# KiCad board BEEWATCH MK2.kicad_pcb (continued)
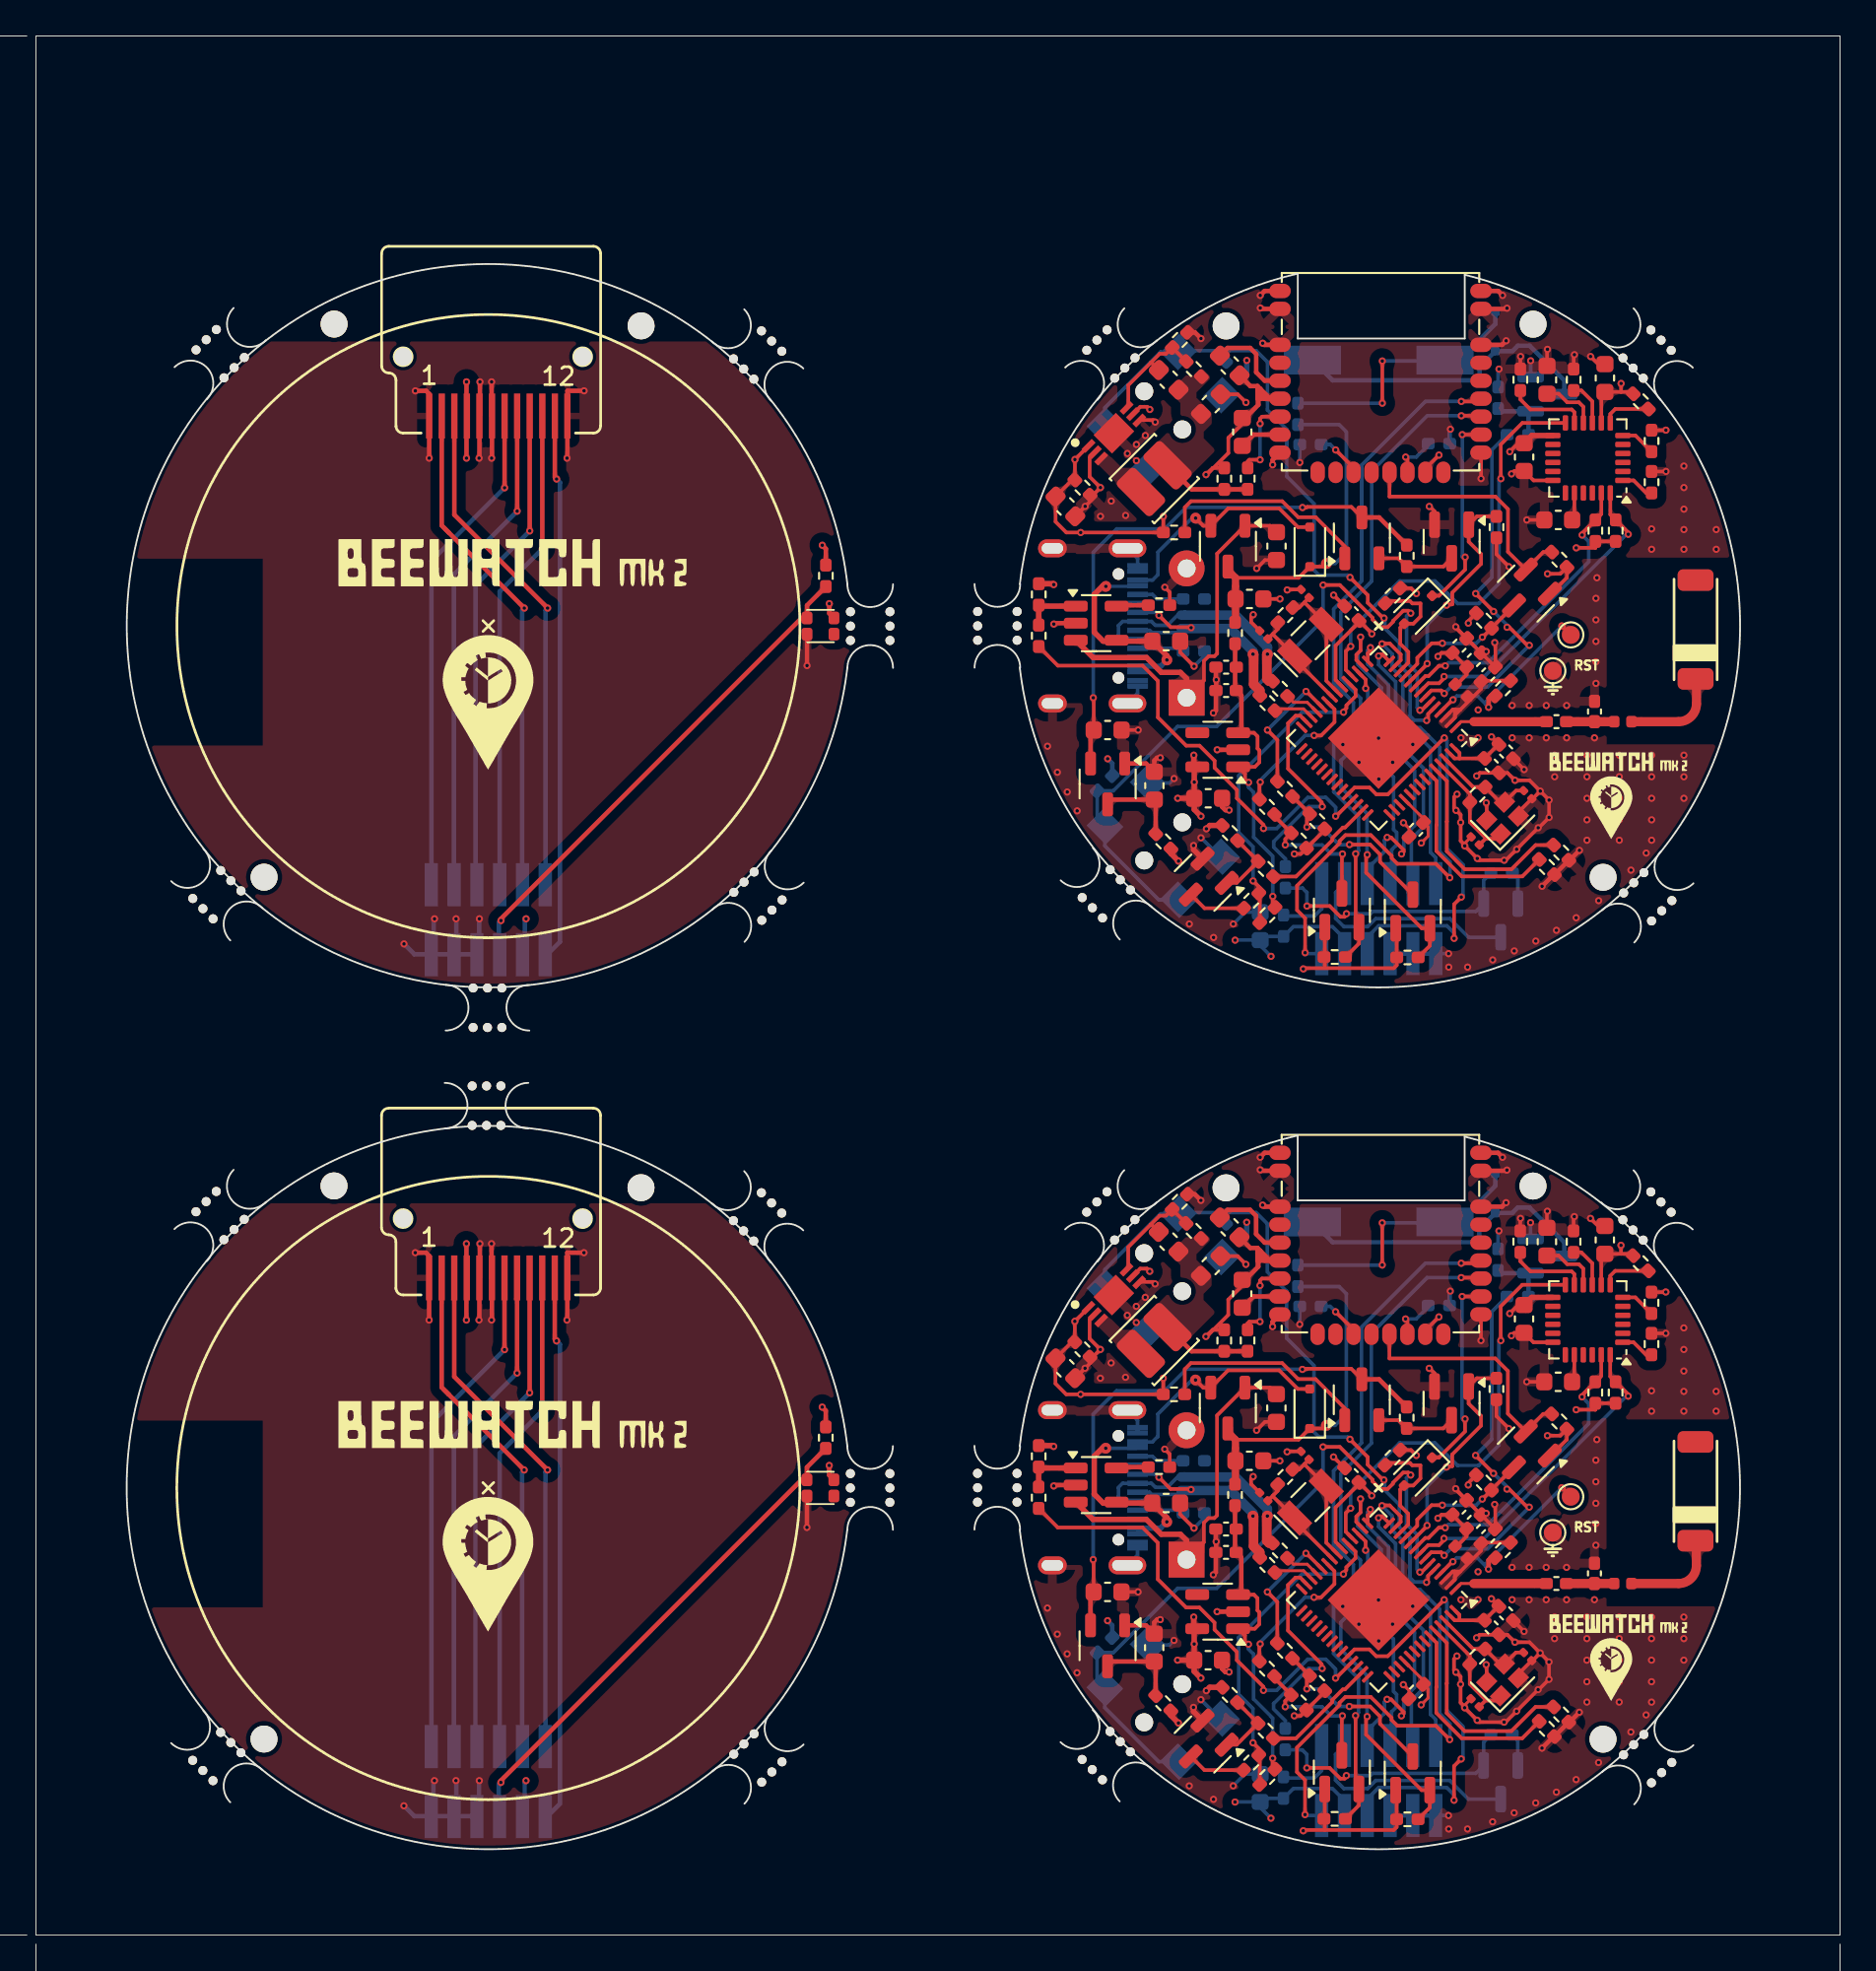
[diagram p0: board, top side]
## Placement (name value [footprint] x y rotation side) (continued)
U2  LTC3549EDCB#TRMPBF  [SON50P300X200X80-7N-D]  60.04 35.64 45 top
U2#2  LTC3549EDCB#TRMPBF  [SON50P300X200X80-7N-D]  60.05 83.63 45 top
U3  MPU-6050  [InvenSense_QFN-24_4x4mm_P0.5mm]  86.45 34.26 180 top
U3#2  MPU-6050  [InvenSense_QFN-24_4x4mm_P0.5mm]  86.45 82.25 180 top
U4  MCP73832-2-OT  [SOT-23-5]  59.06 73.05 0 top
U4#2  MCP73832-2-OT  [SOT-23-5]  59.06 25.06 0 top
U5  ME6217C33M5G  [SOT-23-5]  65.83 18.01 180 top
U5#2  ME6217C33M5G  [SOT-23-5]  65.83 66 180 top
U7  -  [RYS8830]  74.8 37.56 0 top
U7#2  -  [RYS8830]  74.8 85.55 0 top
U8  S-1206B18-M3T1G  [SOT-23-3]  59.7 64.1 270 top
U8#2  S-1206B18-M3T1G  [SOT-23-3]  59.7 16.11 270 top
Y1  40MHz  [Crystal_SMD_2016-4Pin_2.0x1.6mm]  81.7 62.2 45 top
Y1#2  40MHz  [Crystal_SMD_2016-4Pin_2.0x1.6mm]  81.7 14.21 45 top
Y2  32.768KHz  [Crystal_SMD_EuroQuartz_EQ161-2Pin_3.2x1.5mm]  71 72.1 45 top
Y2#2  32.768KHz  [Crystal_SMD_EuroQuartz_EQ161-2Pin_3.2x1.5mm]  71 24.11 45 top

## Library data of the parts
AE1 AE1#2 = -: Description: Ceramic chip antenna with pin for PCB trace
BT1 BT1#2 = -: Description: Single-cell battery
BZ1 = -: Description: Buzzer, polarized
BZ1#2 = -: Description: Buzzer, polarized; ki_fp_filters: *Buzzer*
C1-C5 C6#2 C7-C9 C10#2 C11#2 C12 C13 C14#2 C15#2 C16 C17 C18#2 C19#2 C20#2 C21 C22#2 C23#2 C24#2 C25 C26#2 C27-C30 C31#2 = -: Description: Unpolarized capacitor, small symbol
C1#2 C2#2 C3#2 C4#2 C5#2 C6 C7#2 C8#2 C9#2 C10 C11 C12#2 C13#2 C14 C15 C16#2 C17#2 C18-C20 C21#2 C22-C24 C25#2 C26 C27#2 C28#2 C29#2 C30#2 C31 = -: Description: Unpolarized capacitor, small symbol; ki_fp_filters: C_*
D2 D3#2 D4#2 = -: Description: Schottky diode
D2#2 D3 D4 = -: Description: Schottky diode; ki_fp_filters: TO-???* *_Diode_* *SingleDiode* D_*
J1 = -: Datasheet: https://www.usb.org/sites/default/files/documents/usb_type-c.zip; Description: USB 2.0-only 16P Type-C Receptacle connector; ki_fp_filters: USB*C*Receptacle*
J1#2 = -: Datasheet: https://www.usb.org/sites/default/files/documents/usb_type-c.zip; Description: USB 2.0-only 16P Type-C Receptacle connector
J3 J4#2 = -: Description: Generic connector, double row, 02x06, odd/even pin numbering scheme (row 1 odd numbers, row 2 even numbers), script generated (kicad-library-utils/schlib/autogen/connector/)
J3#2 J4 = -: Description: Generic connector, double row, 02x06, odd/even pin numbering scheme (row 1 odd numbers, row 2 even numbers), script generated (kicad-library-utils/schlib/autogen/connector/); ki_fp_filters: Connector*:*_2x??_*
L1 = -: Description: Inductor, small symbol; ki_fp_filters: Choke_* *Coil* Inductor_* L_*
L1#2 = -: Description: Inductor, small symbol
L2 = -: Description: Inductor; ki_fp_filters: Choke_* *Coil* Inductor_* L_*
L2#2 = -: Description: Inductor
L3 = -: Datasheet: https://www.mouser.in/datasheet/2/396/wound04_e-1290968.pdf; Description: Inductor; MPN: NRH2410T3R3MN; ki_fp_filters: Choke_* *Coil* Inductor_* L_*
L3#2 = -: Datasheet: https://www.mouser.in/datasheet/2/396/wound04_e-1290968.pdf; Description: Inductor; MPN: NRH2410T3R3MN
Q1 Q2 Q4#2 Q9#2 = -: Datasheet: http://www.diodes.com/assets/Datasheets/DMG2302U.pdf; Description: 4.2A Id, 20V Vds, N-Channel MOSFET, SOT-23; ki_fp_filters: SOT?23*
Q1#2 Q2#2 Q4 Q9 = -: Datasheet: http://www.diodes.com/assets/Datasheets/DMG2302U.pdf; Description: 4.2A Id, 20V Vds, N-Channel MOSFET, SOT-23
Q5 Q6#2 Q7#2 = -: Datasheet: https://www.onsemi.com/pub/Collateral/BSS138-D.PDF; Description: 50V Vds, 0.22A Id, N-Channel MOSFET, SOT-23
Q5#2 Q6 Q7 = -: Datasheet: https://www.onsemi.com/pub/Collateral/BSS138-D.PDF; Description: 50V Vds, 0.22A Id, N-Channel MOSFET, SOT-23; ki_fp_filters: SOT?23*
R1 R2#2 R3#2 R5#2 R6#2 R7#2 R8 R9#2 R10 R11 R12#2 R13 R14#2 R15 R16#2 R17#2 R18 R19#2 R20 R21#2 R22 R26 R27 R28#2 R29#2 R30 R38 R39#2 R40 R42#2 R43 R44#2 R45#2 R46#2 R47#2 R48 R49#2 R51#2 R52#2 = -: Description: Resistor, small symbol
R1#2 R2 R3 R5-R7 R8#2 R9 R10#2 R11#2 R12 R13#2 R14 R15#2 R16 R17 R18#2 R19 R20#2 R21 R22#2 R26#2 R27#2 R28 R29 R30#2 R38#2 R39 R40#2 R42 R43#2 R44-R47 R48#2 R49 R51 R52 = -: Description: Resistor, small symbol; ki_fp_filters: R_*
R4 R23#2 R24#2 R25#2 R31#2 R32-R34 R35#2 R36#2 R37#2 R41#2 R50 R53#2 = -: Description: Resistor; ki_fp_filters: R_*
R4#2 R23-R25 R31 R32#2 R33#2 R34#2 R35-R37 R41 R50#2 R53 = -: Description: Resistor
SW1 SW1#2 SW2 SW2#2 = -: Datasheet: https://robu.in/product/tact-switch-tk-074-4-pin-smd/
TP1 TP2#2 = -: Description: test point; ki_fp_filters: Pin* Test*
TP1#2 TP2 = -: Description: test point
U1 = -: Datasheet: https://www.espressif.com/sites/default/files/documentation/esp32-s3_datasheet_en.pdf; Description: Microcontroller, Wi-Fi 802.11b/g/n, Bluetooth, 32bit
U1#2 = -: Datasheet: https://www.espressif.com/sites/default/files/documentation/esp32-s3_datasheet_en.pdf; Description: Microcontroller, Wi-Fi 802.11b/g/n, Bluetooth, 32bit; ki_fp_filters: QFN*1EP*7x7mm*P0.4mm*
U2 U2#2 = -: Datasheet: Datasheet https://www.analog.com/media/en/technical-documentation/data-sheets/3549f.pdf 0 0 Left Top 0 0  Description Linear Technology LTC3549EDCB#TRMPBF, Step Down Buck Boost Switching Regulator, 250mA, Adjustable 0 0 Center Center 0 0  Height 0.8 0 0 Left Top 0 0  Mouser Part Number 584-C3549EDCBTRMPBF 0 0 Left Top 0 0  Mouser Price/Stock https://www.mouser.co.uk/ProductDetail/Analog-Devices/LTC3549EDCBTRMPBF?qs=hVkxg5c3xu%2Ft3z%252BtqK2sZA%3D%3D 0 0 Left Top 0 0  Manufacturer_Name Analog Devices 0 0 Left Top 0 0  Manufacturer_Part_Number LTC3549EDCB#TRMPBF 0 0 Left Top 0 0
U3 = -: Datasheet: https://invensense.tdk.com/wp-content/uploads/2015/02/MPU-6000-Datasheet1.pdf; Description: InvenSense 6-Axis Motion Sensor, Gyroscope, Accelerometer, I2C; ki_fp_filters: *QFN*4x4mm*P0.5mm*
U3#2 = -: Datasheet: https://invensense.tdk.com/wp-content/uploads/2015/02/MPU-6000-Datasheet1.pdf; Description: InvenSense 6-Axis Motion Sensor, Gyroscope, Accelerometer, I2C
U4 = -: Datasheet: http://ww1.microchip.com/downloads/en/DeviceDoc/20001984g.pdf; Description: Single cell, Li-Ion/Li-Po charge management controller, 4.20V, Open-Drain Status Output, in SOT23-5 package
U4#2 = -: Datasheet: http://ww1.microchip.com/downloads/en/DeviceDoc/20001984g.pdf; Description: Single cell, Li-Ion/Li-Po charge management controller, 4.20V, Open-Drain Status Output, in SOT23-5 package; ki_fp_filters: SOT?23*
U5 U5#2 = -: Datasheet: https://www.lcsc.com/datasheet/lcsc_datasheet_1912111437_MICRONE-Nanjing-Micro-One-Elec-ME6217C33M5G_C427602.pdf
U7 U7#2 = -: Datasheet: https://reyax.com//upload/products_download/download_file/RYS8830.pdf
Y2 = -: Description: Two pin crystal
Y2#2 = -: Description: Two pin crystal; ki_fp_filters: Crystal*

## Footprints (pads in the part's own frame, mm; a bottom-side part is the same pattern mirrored in y, then rotated)
C_0201_0603Metric
  rrect 0.318x0.36 smd: (-0.345,0) (0.345,0)
  rrect 0.46x0.4 smd: 1(-0.32,0) 2(0.32,0)
C_0402_1005Metric_Pad0.74x0.62mm_HandSolder
  rrect 0.735x0.62 smd: 1(-0.568,0) 2(0.568,0)
C_0603_1608Metric
  rrect 0.9x0.95 smd: 1(-0.775,0) 2(0.775,0)
CL9032A-CLDZ-SMD Passive Buzzer
  rect 3.185x1.6 smd: 1(3.692,0) 2(-3.692,0)
Crystal_SMD_2016-4Pin_2.0x1.6mm
  rect 0.9x0.8 smd: 1(-0.7,-0.55) 2(0.7,-0.55) 3(0.7,0.55) 4(-0.7,0.55)
Crystal_SMD_EuroQuartz_EQ161-2Pin_3.2x1.5mm
  rect 1x1.8 smd: 1(-1.25,0) 2(1.25,0)
D_SOD-323F
  rrect 0.5x0.5 smd: 1(-1.1,0) 2(1.1,0)
ESP32_ZERO_ANT
  rrect 2x1.2 smd: 1(0.05,2.85) 2(0.05,-2.65)
GC9A01_BOTTOM
  round 1 hole 1 unplated: (-4.749,15) (5.251,15)
  rect 0.35x2.5 smd: 1(-3.299,11.7) 2(-2.599,11.7) 3(-1.899,11.7) 4(-1.199,11.7) 5(-0.499,11.7) 6(0.201,11.7) 7(0.901,11.7) 8(1.601,11.7) 9(2.301,11.7) 10(3.001,11.7) 11(3.701,11.7) 12(4.401,11.7)
InvenSense_QFN-24_4x4mm_P0.5mm
  rrect 0.85x0.3 smd: 1(-1.95,1.25) 2(-1.95,0.75) 3(-1.95,0.25) 4(-1.95,-0.25) 5(-1.95,-0.75) 6(-1.95,-1.25) 13(1.95,-1.25) 14(1.95,-0.75) 15(1.95,-0.25) 16(1.95,0.25) 17(1.95,0.75) 18(1.95,1.25)
  rrect 0.3x0.85 smd: 7(-1.25,-1.95) 8(-0.75,-1.95) 9(-0.25,-1.95) 10(0.25,-1.95) 11(0.75,-1.95) 12(1.25,-1.95) 19(1.25,1.95) 20(0.75,1.95) 21(0.25,1.95) 22(-0.25,1.95) 23(-0.75,1.95) 24(-1.25,1.95)
L_0402_1005Metric
  rrect 0.59x0.64 smd: 1(-0.485,0) 2(0.485,0)
L_Cenker_CKCS3012
  rrect 1.4x2.7 smd: 1(-1.05,0) 2(1.05,0)
mouse-bite-2.54mm-slot
  round 0.5 hole 0.5 unplated: (-0.8,1.1) (-0.8,-1.1) (0,1.1) (0,-1.1) (0.8,1.1) (0.8,-1.1)
PinHeader_2x06_P1.27mm_Vertical_SMD
  rect 2.4x0.74 smd: 1(-1.95,3.175) 2(1.95,3.175) 3(-1.95,1.905) 4(1.95,1.905) 5(-1.95,0.635) 6(1.95,0.635) 7(-1.95,-0.635) 8(1.95,-0.635) 9(-1.95,-1.905) 10(1.95,-1.905) 11(-1.95,-3.175) 12(1.95,-3.175)
QFN-56-1EP_7x7mm_P0.4mm_EP4x4mm
  rrect 1.07x1.07 smd: (-1.33,1.33) (-1.33,0) (-1.33,-1.33) (0,1.33) (0,0) (0,-1.33) (1.33,1.33) (1.33,0) (1.33,-1.33)
  rrect 0.8x0.2 smd: 1(-3.45,2.6) 2(-3.45,2.2) 3(-3.45,1.8) 4(-3.45,1.4) 5(-3.45,1) 6(-3.45,0.6) 7(-3.45,0.2) 8(-3.45,-0.2) 9(-3.45,-0.6) 10(-3.45,-1) 11(-3.45,-1.4) 12(-3.45,-1.8) 13(-3.45,-2.2) 14(-3.45,-2.6) 29(3.45,-2.6) 30(3.45,-2.2) 31(3.45,-1.8) 32(3.45,-1.4) 33(3.45,-1) 34(3.45,-0.6) 35(3.45,-0.2) 36(3.45,0.2) 37(3.45,0.6) 38(3.45,1) 39(3.45,1.4) 40(3.45,1.8) 41(3.45,2.2) 42(3.45,2.6)
  rrect 0.2x0.8 smd: 15(-2.6,-3.45) 16(-2.2,-3.45) 17(-1.8,-3.45) 18(-1.4,-3.45) 19(-1,-3.45) 20(-0.6,-3.45) 21(-0.2,-3.45) 22(0.2,-3.45) 23(0.6,-3.45) 24(1,-3.45) 25(1.4,-3.45) 26(1.8,-3.45) 27(2.2,-3.45) 28(2.6,-3.45) 43(2.6,3.45) 44(2.2,3.45) 45(1.8,3.45) 46(1.4,3.45) 47(1,3.45) 48(0.6,3.45) 49(0.2,3.45) 50(-0.2,3.45) 51(-0.6,3.45) 52(-1,3.45) 53(-1.4,3.45) 54(-1.8,3.45) 55(-2.2,3.45) 56(-2.6,3.45)
  rect 4x4 smd: 57(0,0)
R_0402_1005Metric_Pad0.72x0.64mm_HandSolder
  rrect 0.715x0.64 smd: 1(-0.598,0) 2(0.598,0)
RYS8830
  oval 1.2x0.8 smd: 1(-5.5,3) 2(-5.5,2) 3(-5.5,1) 4(-5.5,0) 5(-5.5,-1) 6(-5.5,-2) 7(-5.5,-3) 16(5.7,-3) 17(5.7,-2) 18(5.7,-1) 19(5.7,0) 20(5.7,1) 21(5.7,2) 22(5.7,3) G1(-5.5,6) G2(-5.5,5) G3(5.7,5) G4(5.7,6)
  oval 0.8x1.2 smd: 8(-3.4,-4.1) 9(-2.4,-4.1) 10(-1.4,-4.1) 11(-0.4,-4.1) 12(0.6,-4.1) 13(1.6,-4.1) 14(2.6,-4.1) 15(3.6,-4.1)
SON50P300X200X80-7N-D
  rect 0.8x0.3 smd: 1(-1.5,0.5) 2(-1.5,0) 3(-1.5,-0.5) 4(1.5,-0.5) 5(1.5,0) 6(1.5,0.5)
  rect 1.75x1.45 smd: 7(0,0)
SOT-23
  rrect 1.475x0.6 smd: 1(-0.938,0.95) 2(-0.938,-0.95) 3(0.938,0)
SOT-23-3
  rrect 1.325x0.6 smd: 1(-1.137,0.95) 2(-1.137,-0.95) 3(1.137,0)
SOT-23-5
  rrect 1.325x0.6 smd: 1(-1.137,0.95) 2(-1.137,0) 3(-1.137,-0.95) 4(1.137,-0.95) 5(1.137,0.95)
Tact Switch-TK-074-4 Pin SMD
  round 1 hole 1 unplated: (-1.5,0) (1.5,0)
  rect 1.4x1.5 smd: 1(-1.7,2.9) 2(-1.7,-2.9) 3(1.7,2.9) 4(1.7,-2.9)
TestPoint_Pad_D1.0mm
  round 1 smd: 1(0,0)
unnamed
  round 1.5 hole 1.5 unplated: (0,0)
unnamed#2
  round 1.5 hole 1.5 unplated: (0.045,-0.04)
USB_C_Receptacle_XKB_U262-16XN-4BVC11
  round 0.65 hole 0.65 unplated: (-2.89,2.605) (2.89,2.605)
  rect 0.3x1.15 smd: A1(-3.35,3.67) A4(-2.55,3.67) A5(-1.25,3.67) A6(-0.25,3.67) A7(0.25,3.67) A8(1.25,3.67) A9(2.55,3.67) A12(3.35,3.67) B1(3.05,3.67) B4(2.25,3.67) B5(1.75,3.67) B6(0.75,3.67) B7(-0.75,3.67) B8(-1.75,3.67) B9(-2.25,3.67) B12(-3.05,3.67)
  oval 1x1.6 hole 0.6x1.2: S1(-4.32,-1.075) S1(4.32,-1.075)
  oval 1x2.1 hole 0.6x1.7: S1(-4.32,3.105) S1(4.32,3.105)
WLY902025
  rect 2x2 hole 1: 1(3.8,1.8)
  round 2 hole 1: 2(-3.4,1.8)
XL-0807RGBC-WS2812B
  rrect 0.6x0.7 smd: 1(0.75,0.45) 2(-0.75,0.45) 3(-0.75,-0.45) 4(0.75,-0.45)

## Nets
+1V8: C31.1 C31#2.1 Q8.3 Q8#2.3 R24.2 R24#2.2 U8.2 U8#2.2
+3.3V: C5.1 C5#2.1 C6.1 C6#2.1 C7.1 C7#2.1 C8.1 C8#2.1 C10.1 C10#2.1 C11.1 C11#2.1 C14.1 C14#2.1 C17.1 C17#2.1 C18.1 C18#2.1 C24.1 C24#2.1 J3.4 J3#2.4 L1.2 L1#2.2 R3.2 R3#2.2 R5.2 R5#2.2 R11.2 R11#2.2 R12.2 R12#2.2 R15.2 R15#2.2 R16.2 R16#2.2 R19.2 R19#2.2 R22.2 R22#2.2 R34.2 R34#2.2 R35.2 R35#2.2 R36.2 R36#2.2 R37.1 R37#2.1 R43.1 R43#2.1 U1.20 U1.46 U1.55 U1.56 U1#2.20 U1#2.46 U1#2.55 U1#2.56 U3.8 U3.13 U3#2.8 U3#2.13 U5.5 U5#2.5
+VBAT: C21.1 C21#2.1 D2.1 D2#2.1 Q3.3 Q3#2.3 R48.1 R48#2.1 R53.1 R53#2.1
/Battery&BMS/+3V3_IN: C30.1 C30#2.1 R43.2 R43#2.2 U8.3 U8#2.3
/Battery&BMS/+VBAT_IN: C22.1 C22#2.1 C23.1 C23#2.1 R44.1 R44#2.1 R48.2 R48#2.2 U5.1 U5.3 U5#2.1 U5#2.3
/Battery&BMS/VBAT: BT1.1 BT1#2.1 C20.1 C20#2.1 Q3.1 Q3#2.1 U4.3 U4#2.3
/Display board/3V3: D1.1 D1#2.1 DS1.4 DS1#2.4 J4.10 J4#2.10 R6.2 R6#2.2
/RYS8830/+0.92V: C28.1 C28#2.1 C29.2 C29#2.2 L3.2 L3#2.2 R27.2 R27#2.2 R28.2 R28#2.2 R49.1 R49#2.1
GND: BT1.2 BT1#2.2 C1.2 C1#2.2 C2.2 C2#2.2 C3.2 C3#2.2 C4.2 C4#2.2 C5.2 C5#2.2 C6.2 C6#2.2 C7.2 C7#2.2 C8.2 C8#2.2 C9.2 C9#2.2 C10.2 C10#2.2 C11.2 C11#2.2 C13.1 C13#2.1 C14.2 C14#2.2 C15.2 C15#2.2 C16.2 C16#2.2 C17.2 C17#2.2 C18.2 C18#2.2 C19.2 C19#2.2 C20.2 C20#2.2 C21.2 C21#2.2 C22.2 C22#2.2 C23.2 C23#2.2 C24.2 C24#2.2 C25.2 C25#2.2 C29.1 C29#2.1 C30.2 C30#2.2 C31.2 C31#2.2 J1.A1 J1.A12 J1.B1 J1.B12 J1.S1 J1#2.A1 J1#2.A12 J1#2.B1 J1#2.B12 J1#2.S1 J3.8 J3.10 J3.12 J3#2.8 J3#2.10 J3#2.12 Q1.2 Q1#2.2 Q2.2 Q2#2.2 Q4.2 Q4#2.2 Q9.2 Q9#2.2 R1.2 R1#2.2 R2.2 R2#2.2 R10.1 R10#2.1 R13.1 R13#2.1 R14.1 R14#2.1 R18.2 R18#2.2 R20.2 R20#2.2 R25.1 R25#2.1 R26.1 R26#2.1 R29.1 R29#2.1 R30.1 R30#2.1 R42.1 R42#2.1 R47.2 R47#2.2 R50.1 R50#2.1 R51.2 R51#2.2 R52.1 R52#2.1 SW1.3 SW1.4 SW1#2.3 SW1#2.4 SW2.3 SW2.4 SW2#2.3 SW2#2.4 TP2.1 TP2#2.1 U1.57 U1#2.57 U2.2 U2.4 U2.7 U2#2.2 U2#2.4 U2#2.7 U3.18 U3#2.18 U4.2 U4#2.2 U5.2 U5#2.2 U7.1 U7.7 U7.16 U7.22 U7.G1 U7.G2 U7.G3 U7.G4 U7#2.1 U7#2.7 U7#2.16 U7#2.22 U7#2.G1 U7#2.G2 U7#2.G3 U7#2.G4 U8.1 U8#2.1 Y1.2 Y1.4 Y1#2.2 Y1#2.4
VBUS: C19.1 C19#2.1 D2.2 D2#2.2 J1.A4 J1.A9 J1.B4 J1.B9 J1#2.A4 J1#2.A9 J1#2.B4 J1#2.B9 Q3.2 Q3#2.2 U4.4 U4#2.4
VDD3P3_RTC: C9.1 C9#2.1 L1.1 L1#2.1 R40.2 R40#2.2 U1.2 U1.3 U1#2.2 U1#2.3
/ACCELEROMETER/MPU_INT: U1.18 U1#2.18 U3.12 U3#2.12
/ACCELEROMETER/MPU_SCL: R12.1 R12#2.1 U1.9 U1#2.9 U3.23 U3#2.23
/ACCELEROMETER/MPU_SDA: R11.1 R11#2.1 U1.8 U1#2.8 U3.24 U3#2.24
/Battery&BMS/BAT_SENSE_EN: R46.1 R46#2.1 U1.41 U1#2.41
/Battery&BMS/CHG_ST: R21.2 R21#2.2 U1.39 U1#2.39
/Display board/_GND: D1.3 D1#2.3 DS1.1 DS1.5 DS1.6 DS1.12 DS1#2.1 DS1#2.5 DS1#2.6 DS1#2.12 J4.2 J4.4 J4.6 J4#2.2 J4#2.4 J4#2.6
/Display board/_LED: D1.2 D1#2.2 J4.8 J4#2.8 R6.1 R6#2.1
/Display board/CS: DS1.8 DS1#2.8 J4.3 J4#2.3
/Display board/D/C: DS1.7 DS1#2.7 J4.1 J4#2.1
/Display board/LED_A: DS1.3 DS1#2.3 J4.11 J4#2.11
/Display board/LED_K: DS1.2 DS1#2.2 J4.9 J4#2.9
/Display board/RST: DS1.11 DS1#2.11 J4.12 J4#2.12
/Display board/SCK: DS1.9 DS1#2.9 J4.5 J4#2.5
/Display board/SDI: DS1.10 DS1#2.10 J4.7 J4#2.7
/Display/LED: J3.6 J3#2.6 U1.38 U1#2.38
/Display/TFT_CS: J3.9 J3#2.9 U1.15 U1#2.15
/Display/TFT_D/C: J3.11 J3#2.11 U1.14 U1#2.14
/Display/TFT_LED_PIN: R17.1 R17#2.1 U1.27 U1#2.27
/Display/TFT_LEDA: J3.1 J3#2.1 R19.1 R19#2.1
/Display/TFT_LEDK: J3.3 J3#2.3 Q2.3 Q2#2.3
/Display/TFT_RST: J3.2 J3#2.2 U1.13 U1#2.13
/Display/TFT_SCK: J3.7 J3#2.7 U1.17 U1#2.17
/Display/TFT_SDI: J3.5 J3#2.5 U1.16 U1#2.16
/ESP32/BAT_VSENSE: R44.2 R44#2.2 R45.1 R45#2.1 U1.19 U1#2.19
/ESP32/BUZZER_EN: R9.1 R9#2.1 U1.7 U1#2.7
/ESP32/D+: J1.A6 J1.B6 J1#2.A6 J1#2.B6 R8.1 R8#2.1
/ESP32/D-: J1.A7 J1.B7 J1#2.A7 J1#2.B7 R7.1 R7#2.1
/ESP32/GPS_EN: Q4.1 Q4#2.1 R50.2 R50#2.2 U1.10 U1#2.10
/ESP32/GPS_PSS: D3.2 D3#2.2 R37.2 R37#2.2 U1.12 U1#2.12
/ESP32/GPS_RST: Q7.3 Q7#2.3 R36.1 R36#2.1 U1.11 U1#2.11
/ESP32/GPS_RXD: R39.2 R39#2.2 U1.24 U1#2.24
/ESP32/GPS_TXD: R38.2 R38#2.2 U1.23 U1#2.23
/ESP32/IO0: R3.1 R3#2.1 SW1.1 SW1.2 SW1#2.1 SW1#2.2 U1.5 U1#2.5
/ESP32/IO1: R5.1 R5#2.1 SW2.1 SW2.2 SW2#2.1 SW2#2.2 U1.6 U1#2.6
/ESP32/USB_D+: R8.2 R8#2.2 U1.26 U1#2.26
/ESP32/USB_D-: R7.2 R7#2.2 U1.25 U1#2.25
/ESP32/XTAL_32K_N: C4.1 C4#2.1 R4.2 R4#2.2 U1.22 U1#2.22 Y2.1 Y2#2.1
/ESP32/XTAL_32K_P: C3.1 C3#2.1 R4.1 R4#2.1 U1.21 U1#2.21 Y2.2 Y2#2.2
/ESP32/XTAL_N: C1.1 C1#2.1 R23.1 R23#2.1 U1.53 U1#2.53 Y1.1 Y1#2.1
/ESP32/XTAL_P: C2.1 C2#2.1 R23.2 R23#2.2 U1.54 U1#2.54 Y1.3 Y1#2.3
/RYS8830/FB: C28.2 C28#2.2 R26.2 R26#2.2 R27.1 R27#2.1 U2.6 U2#2.6
/RYS8830/GNSS_+1.8V: C25.1 C25#2.1 C26.2 C26#2.2 C27.2 C27#2.2 Q5.1 Q5#2.1 Q6.1 Q6#2.1 Q7.1 Q7#2.1 R25.2 R25#2.2 R28.1 R28#2.1 R31.2 R31#2.2 R32.2 R32#2.2 R33.2 R33#2.2 R41.1 R41#2.1 U2.1 U2.5 U2#2.1 U2#2.5 U7.4 U7.14 U7#2.4 U7#2.14
/RYS8830/PPS: D3.1 D3#2.1 U7.17 U7#2.17
/RYS8830/RXD: Q5.2 Q5#2.2 R31.1 R31#2.1 U7.19 U7#2.19
/RYS8830/SW: L3.1 L3#2.1 U2.3 U2#2.3
/RYS8830/TXD: Q6.2 Q6#2.2 R32.1 R32#2.1 U7.18 U7#2.18
GNSS_+1V8: Q8.1 Q8#2.1 R41.2 R41#2.2
Net-(AE1-FEED): AE1.1 AE1#2.1 L2.2 L2#2.2
Net-(BZ1-+): BZ1.1 BZ1#2.1 D4.1 D4#2.1 R53.2 R53#2.2
Net-(BZ1--): BZ1.2 BZ1#2.2 D4.2 D4#2.2 Q1.3 Q1#2.3
Net-(C12-Pad2): C12.2 C12#2.2 C13.2 C13#2.2 L2.1 L2#2.1
Net-(J1-CC1): J1.A5 J1#2.A5 R1.1 R1#2.1
Net-(J1-CC2): J1.B5 J1#2.B5 R2.1 R2#2.1
Net-(Q1-G): Q1.1 Q1#2.1 R9.2 R9#2.2 R10.2 R10#2.2
Net-(Q2-G): Q2.1 Q2#2.1 R17.2 R17#2.2 R18.1 R18#2.1
Net-(Q4-D): Q4.3 Q4#2.3 Q8.2 Q8#2.2 R24.1 R24#2.1
Net-(Q5-D): Q5.3 Q5#2.3 R34.1 R34#2.1 R38.1 R38#2.1
Net-(Q6-D): Q6.3 Q6#2.3 R35.1 R35#2.1 R39.1 R39#2.1
Net-(Q7-S): Q7.2 Q7#2.2 R33.1 R33#2.1 U7.12 U7#2.12
Net-(Q9-D): Q9.3 Q9#2.3 R45.2 R45#2.2
Net-(Q9-G): Q9.1 Q9#2.1 R46.2 R46#2.2 R47.1 R47#2.1
Net-(U1-CHIP_PU): R40.1 R40#2.1 TP1.1 TP1#2.1 U1.4 U1#2.4
Net-(U1-GPIO45): R51.1 R51#2.1 U1.51 U1#2.51
Net-(U1-GPIO46): R52.2 R52#2.2 U1.52 U1#2.52
Net-(U1-LNA_IN): C12.1 C12#2.1 U1.1 U1#2.1
Net-(U3-AD0): R42.2 R42#2.2 U3.9 U3#2.9
Net-(U3-AUX_CL): R16.1 R16#2.1 U3.7 U3#2.7
Net-(U3-AUX_DA): R15.1 R15#2.1 U3.6 U3#2.6
Net-(U3-CLKIN): R14.2 R14#2.2 U3.1 U3#2.1
Net-(U3-CPOUT): C16.1 C16#2.1 U3.20 U3#2.20
Net-(U3-FSYNC): R13.2 R13#2.2 U3.11 U3#2.11
Net-(U3-REGOUT): C15.1 C15#2.1 U3.10 U3#2.10
Net-(U4-PROG): R20.1 R20#2.1 U4.5 U4#2.5
Net-(U4-STAT): R21.1 R21#2.1 R22.1 R22#2.1 U4.1 U4#2.1
Net-(U7-LDO1_OUT): C26.1 C26#2.1 U7.6 U7#2.6
Net-(U7-LDO2_OUT): C27.1 C27#2.1 U7.3 U7#2.3
Net-(U7-LDO_IN): R49.2 R49#2.2 U7.5 U7#2.5
Net-(U7-P06/BOOT_REC): R29.2 R29#2.2 U7.10 U7#2.10
Net-(U7-RTC_CLK_IN): R30.2 R30#2.2 U7.13 U7#2.13

Pads without a net: AE1 2; AE1#2 2; D1 4; D1#2 4; J1 A8 B8; J1#2 A8 B8; U1 28 29 30 31 32 33 34 35 36 37 40 42 43 44 45 47 48 49 50; U1#2 28 29 30 31 32 33 34 35 36 37 40 42 43 44 45 47 48 49 50; U3 2 3 4 5 14 15 16 17 19 21 22; U3#2 2 3 4 5 14 15 16 17 19 21 22; U5 4; U5#2 4; U7 2 8 9 11 15 20 21; U7#2 2 8 9 11 15 20 21

## Via types
v1: diameter 0.4, hole 0.2, Top to Bottom, 534 vias
v2: diameter 0.6, hole 0.2, Top to Bottom, 12 vias

## Routing (per net, layer and track width the routed paths; a pad name or vN(x,y) marks a point on that pad's centre or on a via; arc(x,y) is an arc through that point)
+1V8: length 62
  Top w0.2: Q8#2.3 73.27,79.53 70.81,79.53 70.79,79.5 70.7,79.5 70.69,79.5 70.61,79.5 70.61,79.49 70.58,79.49 70.57,79.49 70.56,79.49 v1(70.55,79.49) ; C31.1 58.92,20.88 v1(58.9,20.91) ; v1(58.9,68.9) 58.93,68.88 C31#2.1 ; v1(70.55,31.5) 70.56,31.5 70.57,31.5 70.57,31.5 70.61,31.5 70.61,31.51 70.69,31.51 70.69,31.51 70.78,31.51 70.81,31.53 73.27,31.53 Q8.3
  Top w0.25: R24#2.2 74.82,30.95 Q8.3 ; R24.2 74.82,78.94 Q8#2.3 ; U8#2.2 58.75,18.93 ; U8.2 58.75,66.93
  Bottom w0.2: v1(70.55,31.5) 70.54,31.51 64.07,31.51 62.87,30.31 60.2,30.31 58.9,29.01 v1(58.9,20.91) ; v1(58.9,68.9) 58.9,77 60.2,78.3 62.88,78.3 64.08,79.5 70.54,79.5 v1(70.55,79.49)
+3.3V: length 89.6
  Top w0.16: 77.29,14.18 U1#2.46 ; 77.29,62.17 U1.46 ; v1(77.16,12.82) 77.55,13.2 77.55,13.7 C11.1 ; C11#2.1 77.55,61.69 77.55,61.19 v1(77.17,60.81)
  Top w0.2: 88.3,37.93 v1(88.3,38.41) ; 88.3,37.93 C17#2.1 ; 88.3,37.93 88.87,37.93 ; 79.09,69.58 79.7,70.19 C8.1 C7.1 78.3,71.4 v1(78.1,71.2) ; R37.1 76.6,75 v1(76.9,74.7) ; R15.2 90.8,83.8 v1(90.8,83.8) ; v1(74.42,72.45) 74.42,72.48 C10#2.1 ; 82.57,83.08 v1(82.1,82.6) ; 71.8,61.54 R34#2.2 70.46,60.2 v1(70.1,60.2) ; v1(85.8,29.25) 86.86,29.25 R12.2 ; 79.3,17.53 C5#2.1 81.47,18.31 ; 79.3,17.53 79.03,17.53 U1#2.55 ; 79.3,17.53 79.3,17.83 U1#2.56 ; 88.3,85.93 88.88,85.93 ; 88.3,85.93 C17.1 ; 88.3,85.93 v1(88.3,86.4) ; 82.57,35.08 v1(82.1,34.61) ; 71.8,13.55 R34.2 70.45,12.21 v1(70.1,12.21) ; 79.3,65.52 C5.1 81.48,66.3 ; 79.3,65.52 79.03,65.52 U1.55 ; 79.3,65.52 79.3,65.82 U1.56 ; C10.1 74.41,24.49 v1(74.41,24.46) ; v1(79.79,25.06) 79.79,25.17 R36#2.2 ; v1(78.1,23.21) 78.29,23.41 C7#2.1 C8#2.1 79.69,22.2 79.09,21.59 ; v1(81.08,66.72) C6#2.1 ; v1(79.79,73.05) 79.79,73.16 R36.2 ; v1(85.8,77.24) 86.87,77.24 R12#2.2 ; v1(76.9,26.71) 76.6,27.01 R37#2.1 ; R11.2 86.87,77.61 ; R11#2.2 86.87,29.61 ; U3#2.8 87.2,85.73 ; U1.20 72.4,69.89 72.4,71.8 73.7,73.1 ; U1#2.20 72.4,21.9 72.4,23.81 73.7,25.11 ; v1(81.07,18.73) C6.1 ; R15#2.2 90.79,35.8 v1(90.8,35.81) ; U3.8 87.2,37.73
  Top w0.3: C24#2.1 v1(63.6,63.3) ; C24#2.1 64.52,62.68 v1(64.9,62.3) ; C24#2.1 v1(64.52,64.2) 64.52,64.88 U5#2.5 64.5,65.25 v1(64.5,65.7) ; v1(56.7,75.2) 56.65,75.25 R22.2 ; v1(64.5,17.71) 64.5,17.25 U5.5 64.52,16.89 v1(64.52,16.21) C24.1 ; v1(56.7,27.21) 56.65,27.26 R22#2.2 ; C14.1 83.32,35.51 U3.13 ; C24.1 64.52,14.68 v1(64.9,14.31) ; C24.1 v1(63.6,15.31) ; v1(63.65,11.81) 63.22,12.24 R43#2.1 ; 84.5,83.5 83.33,83.5 C14#2.1 ; R43.1 63.22,60.23 v1(63.65,59.8)
  Bottom w0.2: v1(66.8,55.4) 66.81,55.41 C18#2.1 ; 68.4,7.61 R19.2 70.04,8.16 72.22,8.16 72.89,7.49 ; 68.2,55.1 v1(68.8,54.5) ; v1(66.8,7.41) 66.8,7.41 C18.1 ; 68.2,7.11 v1(68.8,6.51) ; 68.4,55.61 R19#2.2 70.05,56.15 72.22,56.15 72.89,55.48
  Bottom w0.25: R5#2.2 59.96,65.24 v1(59.7,65.5) ; v1(59.7,17.51) 59.96,17.25 R5.2
  Bottom w0.3: R3#2.2 67.45,87.11 v1(67.45,87.68) ; v1(67.45,39.69) 67.45,39.11 R3.2
+VBAT: length 38.8
  Top w0.2: 66.82,75.58 70.34,75.58 D2.1 71.72,76.2 v2(71.9,76.37) ; 66.82,27.58 70.33,27.58 D2#2.1 71.72,28.21 v2(71.89,28.38)
  Top w0.4: 66.4,76 66.82,75.58 66.82,73.12 ; 66.4,28.01 66.82,27.58 66.82,25.13
  Bottom w0.2: v2(71.9,76.37) 72.37,76.37 73,77 73,83.7 72.6,84.1 R53.1 ; v2(71.89,28.38) 72.37,28.38 73,29.01 73,35.71 72.59,36.11 R53#2.1
/Battery&BMS/+3V3_IN: length 9.1
  Top w0.25: U8.3 59.96,63.23 C30.1 ; R43.2 62.38,63.15 ; C30#2.1 59.96,15.23 U8#2.3 ; R43#2.2 62.37,15.16
/Battery&BMS/+VBAT_IN: length 35.1
  Top w0.2: v1(68.9,57.84) 68.9,57.35 ; v1(68.89,9.85) 68.89,9.36 ; U5.3 67.85,18.96 68.05,18.76 68.05,18.08 68.15,17.98 68.15,17.31 67.9,17.06 U5.1 67.35,16.67 67.35,16.31 67.47,16.19 v1(67.55,16.19) ; v1(67.55,64.18) 67.47,64.18 67.35,64.3 67.35,64.67 U5#2.1 67.9,65.05 68.15,65.3 68.15,65.97 68.05,66.07 68.05,66.75 67.85,66.95 U5#2.3
  Top w0.25: U5#2.3 67.15,67.13 67.15,69.02 C23#2.1 ; U5.3 67.15,19.14 67.15,21.03 C23.1 ; R48#2.2 66.8,21.38 ; R48.2 66.8,69.37
  Bottom w0.2: v1(67.55,16.19) 67.55,15.93 67.83,15.64 67.83,13.14 68.89,12.08 v1(68.89,9.85) ; v1(68.9,57.84) 68.9,60.07 67.83,61.13 67.83,63.63 67.55,63.92 v1(67.55,64.18)
/Battery&BMS/VBAT: length 42.3
  Top w0.2: BT1.1 65.06,69.86 65.06,70.95 65.33,71.21 65.65,71.21 65.8,71.36 65.8,76.92 Q3#2.1 68.75,78.48 C20#2.1 ; BT1#2.1 65.06,21.87 65.06,22.96 65.32,23.22 65.65,23.22 65.79,23.37 65.79,28.93 Q3.1 68.74,30.48 C20.1
  Top w0.3: U4#2.3 58.88,23.15 61.86,23.15 62.69,22.32 63.75,22.32 64.1,21.97 BT1#2.1 ; BT1.1 64.1,69.96 63.75,70.31 62.69,70.31 61.86,71.14 58.89,71.14 U4.3
/Display board/3V3: length 16.7
  Top w0.25: R6#2.2 44,77.19 v1(43.8,77.39) ; R6.2 44,29.2 v1(43.8,29.4) ; 23.99,84.56 v1(23.99,82.24) ; 44.25,26.15 v1(44.19,26.15) 44.19,25.61 D1#2.1 ; D1.1 44.2,73.6 v1(44.2,74.14) 44.25,74.14 ; v1(23.98,38.5) 23.98,36.62 ; v1(23.99,86.49) 23.99,84.61 ; 23.98,36.57 v1(23.98,34.25)
  Bottom w0.25: v1(27.3,8.6) 27.23,8.53 27.23,6.62 ; v1(27.3,56.59) 27.23,56.52 27.23,54.61
/RYS8830/+0.92V: length 16.3
  Top w0.2: 67.49,32.51 R28.2 64.38,32.51 ; 64.38,80.5 R28#2.2 67.5,80.5
  Top w0.25: R49.1 64.38,32.51 L3.2 ; R49#2.1 64.38,80.5 L3#2.2
GND: length 188.9
  Top w0.16: v1(76.18,61.94) 76.49,61.62 C11#2.2 ; C11.2 76.48,13.63 v1(76.17,13.95) ; C1#2.2 79.57,12.79 79.52,12.79 ; C1.2 79.57,60.78 79.52,60.78
  Top w0.2: R14#2.1 90.8,81.5 v1(90.8,81.5) ; Q4.2 77.91,79.27 77.64,79.55 v1(77.62,79.55) ; v1(62.88,75.05) 63.16,74.77 R20.2 ; v1(82.19,33.37) 82.35,33.53 C14.2 83.42,33.01 U3.18 ; 58.87,32.19 v1(59.3,32.61) 58.7,33.21 58.7,34.29 59.03,34.62 ; 68.17,72.73 68.07,72.73 67.69,73.11 67.69,73.41 v1(67.81,73.52) ; v1(82.05,28.2) 81.36,28.89 R50.1 ; C3#2.2 69.72,26.94 v1(69.7,26.91) ; 79.09,72.81 C7.2 80.15,71.75 ; 79.09,72.81 C8.2 C9.2 81.3,71.93 v1(81.26,71.97) ; 79.09,72.81 v1(79.09,72.85) ; C29#2.1 66.94,37.81 v1(67.4,37.35) ; R20#2.2 63.16,26.78 v1(62.88,27.06) ; v1(82.2,81.36) 82.36,81.53 C14#2.2 83.43,81 U3#2.18 ; U7.16 v1(80.5,33.11) ; 68.17,24.74 68.07,24.74 67.69,25.12 67.69,25.42 v1(67.81,25.53) ; Q4#2.2 77.91,31.28 77.63,31.56 v1(77.61,31.56) ; v1(58.44,31.56) C25#2.2 58.72,31.84 R25#2.1 ; v1(82.7,87.9) 82.69,87.89 R13.1 ; v1(67.41,85.34) 66.95,85.8 C29.1 ; R13#2.1 82.68,39.9 v1(82.7,39.91) ; C10#2.2 v1(72.29,74.61) ; v1(85.7,40.01) 85.65,39.97 R42.1 ; v1(90.8,33.51) 90.79,33.51 R14.1 ; 61.49,84.36 62.24,84.36 v1(62.35,84.25) ; 82.58,62.53 C2.2 ; C19#2.2 63.74,71.42 v1(64.51,70.65) ; v1(62.35,36.26) 62.23,36.37 61.48,36.37 ; C31#2.2 v1(61.4,67.1) ; v1(80.25,16.55) 80.42,16.73 C5#2.2 81.97,16.73 v1(82.39,16.31) 83.2,16.31 v1(83.8,15.71) ; v1(84.2,40.31) 84.17,40.28 C15.2 ; v1(68,76.1) 68.47,76.57 C20#2.2 ; 87.02,39.48 v1(86.6,39.91) ; v1(69.3,74.4) C21.2 ; 83.37,63.27 v1(83.8,63.7) ; v1(83.8,63.7) 83.2,64.3 v1(82.39,64.3) 81.97,64.72 C5.2 80.43,64.72 v1(80.26,64.54) ; v1(83.8,63.7) 84.29,63.21 v1(84.29,63.2) v1(84.29,62.23) 83.72,61.66 v1(83.68,61.66) v1(82.48,60.46) 81.87,59.85 v1(81.79,59.85) 80.39,59.85 v1(80.29,59.95) v1(79.59,60.65) 79.52,60.72 79.52,60.78 79.36,60.94 79.36,62.38 79.11,62.63 v1(79.1,62.63) 79,62.73 79,63.36 v1(79.16,63.53) ; v1(83.8,15.71) 84.29,15.22 v1(84.29,15.21) v1(84.29,14.24) 83.71,13.67 v1(83.68,13.67) v1(82.48,12.47) 81.87,11.86 v1(81.79,11.86) 80.39,11.86 v1(80.29,11.96) v1(79.59,12.66) 79.52,12.73 79.52,12.79 79.36,12.95 79.36,14.39 79.11,14.64 v1(79.1,14.64) 78.99,14.74 78.99,15.37 v1(79.16,15.54) ; v1(83.8,15.71) 83.37,15.28 ; v1(69.7,74.9) 69.73,74.93 C3.2 ; R42#2.1 85.66,87.96 v1(85.7,88) ; v1(83.05,78.8) C16.2 ; C10.2 v1(72.28,26.62) ; C20.2 68.46,28.58 v1(68,28.11) ; 79.09,24.82 C8#2.2 C9#2.2 81.3,23.94 v1(81.26,23.98) ; 79.09,24.82 v1(79.09,24.86) ; 79.09,24.82 C7#2.2 80.15,23.76 ; 59.03,82.61 58.7,82.28 58.7,81.2 v1(59.3,80.6) 58.88,80.18 ; R25.1 58.72,79.83 C25.2 v1(58.45,79.55) ; v1(83.05,30.81) C16#2.2 ; 82.58,14.54 C2#2.2 ; C6#2.2 v1(82.9,64.9) ; v1(80.79,15.06) 80.81,15.03 Y1#2.4 ; 87.02,87.48 v1(86.6,87.9) ; v1(69.3,26.41) C21#2.2 ; v1(82.06,76.19) 81.36,76.88 R50#2.1 ; C15#2.2 84.17,88.27 v1(84.2,88.3) ; v1(64.51,22.66) 63.74,23.43 C19.2 ; Y1.4 80.82,63.02 v1(80.79,63.05) ; U7#2.16 v1(80.5,81.1) ; C31.2 v1(61.4,19.11) ; C6.2 v1(82.9,16.91)
  Top w0.25: U7#2.22 81.67,88.55 v1(81.9,88.78) ; 65.75,69.32 v1(65.75,69.9) 65.73,69.92 C22#2.2 ; 65.75,21.33 v1(65.75,21.91) 65.73,21.93 C22.2 ; v1(62.63,17.57) 62.45,17.57 62.3,17.41 C30#2.2 61.83,17.25 U8#2.1 ; v1(66.46,14.65) 66.25,14.65 66.07,14.83 C24.2 ; U7.7 68.89,34.15 v1(68.89,33.88) ; U7#2.G1 68.45,91.55 v1(68.2,91.3) ; U5#2.2 v1(65.8,66) ; v1(65.59,20.06) 65.73,20.2 C23.2 ; 84.55,59.05 v1(83.9,58.4) ; v1(56.7,73) 56.75,73.05 U4.2 ; U7#2.G4 81.45,91.55 v1(81.7,91.3) ; U7.G2 68.25,42.56 v1(68.2,42.61) ; v1(62.64,65.56) 62.45,65.56 62.3,65.4 C30.2 61.84,65.24 U8.1 ; U7.G1 68.45,43.56 v1(68.2,43.31) ; U7#2.7 68.89,82.14 v1(68.89,81.87) ; C24#2.2 66.07,62.83 66.26,62.64 v1(66.47,62.64) ; v1(68.34,88.64) 68.43,88.55 U7#2.1 ; v1(68.2,90.6) 68.25,90.55 U7#2.G2 ; U4#2.2 56.75,25.06 v1(56.7,25.01) ; v1(81.95,90.59) 81.91,90.55 U7#2.G3 ; R26#2.1 64.55,41.25 v1(64.9,40.91) ; R51.2 R52.1 ; R51#2.2 R52#2.1 ; v1(65.59,68.05) 65.73,68.19 C23#2.2 ; v1(81.7,43.31) 81.45,43.56 U7.G4 ; 84.55,11.06 v1(83.9,10.41) ; 85.43,11.86 v1(85.98,12.41) ; U5.2 v1(65.8,18.01) ; v1(64.9,88.9) 64.56,89.24 R26.1 ; U7.22 81.67,40.56 v1(81.9,40.78) ; U7.1 68.42,40.56 v1(68.33,40.65) ; U7.G3 81.9,42.56 v1(81.94,42.6) ; 85.43,59.85 v1(85.98,60.4)
  Top w0.3: v1(64.48,12.68) 64.48,12.45 Q9#2.2 ; v1(65.2,13.61) 65.38,13.8 R47.2 ; v1(64.49,60.67) 64.49,60.44 Q9.2 ; R47#2.2 65.39,61.79 v1(65.2,61.6)
  Bottom w0.2: 65.95,60.05 v1(64.9,61.1) ; J3.12 v1(78.69,54.65) ; R18.2 82.55,58.84 Q2#2.2 ; J1.B1 61.37,28.66 J1.S1 ; v1(66.7,56.3) 67.36,56.96 C18#2.2 ; 65.09,23.24 v1(64.51,22.66) ; R10.1 81.45,87.15 v1(81.5,87.2) ; Q1#2.2 v1(83.26,87.66) ; v1(81.5,39.21) 81.45,39.16 R10#2.1 ; 65.1,71.23 v1(64.51,70.65) ; v1(66.7,8.31) 67.35,8.96 C18.2 ; J1#2.S1 61.37,76.66 J1#2.B1 ; J3#2.12 v1(78.69,6.66) ; J1.S1 61.37,21.15 J1.A1 ; v1(63.4,16.41) 63.15,16.16 SW2#2.4 ; 65.94,12.06 v1(64.9,13.11) ; R29.1 v1(70.4,34.01) ; J1#2.A1 61.37,69.15 J1#2.S1 ; Q2.2 82.55,10.84 R18#2.2 ; v1(63.4,64.4) 63.15,64.15 SW2.4 ; Q1.2 v1(83.26,39.67) ; R29#2.1 v1(70.4,82)
  Bottom w0.25: J3.8 J3.12 ; R30.1 78.75,83.81 v1(78.79,83.85) ; R30#2.1 78.75,35.82 v1(78.79,35.86) ; J3#2.8 J3#2.12
  vias: v1(56.35,66.2) v1(56.35,18.21) v1(56.9,64.75) v1(56.9,16.76) v1(57.45,63.65) v1(57.45,15.66) v1(58,62.6) v1(58,14.61) v1(59.3,79) v1(59.3,31.01) v1(59.9,79.85) v1(59.9,31.86) v1(60.7,79.05) v1(60.7,31.06) v1(60.8,82.5) v1(60.8,34.51) v1(61.3,83) v1(61.3,82.1) v1(61.3,35.01) v1(61.3,34.11) v1(61.8,83.5) v1(61.8,35.51) v1(64.25,56.3) v1(64.25,8.31) v1(65.6,55.55) v1(65.6,7.56) v1(72.8,66.29) v1(72.8,18.3) v1(73.7,65.3) v1(73.7,17.31) v1(74.79,66.65) v1(74.8,64.37) v1(74.79,18.66) v1(74.8,16.38) v1(75.58,65.3) v1(75.57,17.31) v1(76.7,66.3) v1(76.7,18.31) v1(78.7,53.9) v1(78.7,5.91) v1(79.38,66.67) v1(79.36,61.96) v1(79.38,18.68) v1(79.36,13.97) v1(79.75,53.9) v1(79.75,5.91) v1(80.34,68.22) v1(80.33,66.67) v1(80.33,20.23) v1(80.33,18.68) v1(80.79,71.47) v1(80.79,23.48) v1(81.15,54.3) v1(81.15,6.31) v1(82.23,68.47) v1(82.23,66.67) v1(82.23,20.48) v1(82.23,18.68) v1(82.35,54.8) v1(82.35,6.81) v1(83.18,68.47) v1(83.18,66.67) v1(83.18,20.48) v1(83.18,18.68) v1(83.55,55.35) v1(83.55,7.36) v1(84.13,68.47) v1(84.13,66.67) v1(84.13,20.48) v1(84.13,18.68) v1(84.6,65.7) v1(84.6,64.5) v1(84.6,17.71) v1(84.6,16.51) v1(84.7,55.95) v1(84.7,7.96) v1(85.27,68.47) v1(85.27,66.67) v1(85.26,20.48) v1(85.26,18.68) v1(85.8,56.65) v1(85.8,8.66) v1(86.4,65.7) v1(86.4,64.5) v1(86.4,63.3) v1(86.4,62.1) v1(86.4,60.97) v1(86.4,17.71) v1(86.4,16.51) v1(86.4,15.31) v1(86.4,14.11) v1(86.4,12.97) v1(86.82,66.67) v1(86.81,18.68) v1(86.95,75.58) v1(86.9,74.44) v1(86.9,73.24) v1(86.9,72.04) v1(86.9,70.9) v1(86.9,69.7) v1(86.95,27.59) v1(86.9,26.44) v1(86.9,25.24) v1(86.9,24.04) v1(86.9,22.91) v1(86.9,21.71) v1(87.05,57.6) v1(87.05,9.61) v1(88.2,65.7) v1(88.2,64.5) v1(88.2,63.3) v1(88.2,62.1) v1(88.2,60.97) v1(88.2,17.71) v1(88.2,16.51) v1(88.2,15.31) v1(88.2,14.11) v1(88.2,12.97) v1(88.85,59.3) v1(88.85,11.31) v1(89.7,60.25) v1(89.7,12.26) v1(90,78.3) v1(90,77.17) v1(90,65.7) v1(90,64.5) v1(90,63.3) v1(90,62.1) v1(90,60.97) v1(90,30.31) v1(90,29.17) v1(90,17.71) v1(90,16.51) v1(90,15.31) v1(90,14.11) v1(90,12.97) v1(91.8,81.8) v1(91.8,80.6) v1(91.8,79.4) v1(91.8,78.27) v1(91.8,77.17) v1(91.8,65.7) v1(91.8,64.5) v1(91.8,63.3) v1(91.8,33.81) v1(91.8,32.61) v1(91.8,31.41) v1(91.8,30.27) v1(91.8,29.17) v1(91.8,17.71) v1(91.8,16.51) v1(91.8,15.31) v1(93.6,78.27) v1(93.6,77.17) v1(93.6,30.27) v1(93.6,29.17)
VBUS: length 48
  Top w0.2: D2#2.2 70.3,30.41 69.26,31.45 66.41,31.45 Q3.2 65.02,30.48 v2(64.6,30.91) ; D2.2 70.3,78.4 69.26,79.44 66.41,79.44 Q3#2.2 65.02,78.48 v2(64.6,78.9)
  Top w0.3: v2(59.6,75.1) 59.4,75.1 58.96,74.66 58.96,72.54 59.45,72.05 C19#2.1 63,71.24 v2(63,71) ; v2(59.6,27.11) 59.4,27.11 58.95,26.67 58.95,24.55 59.45,24.06 C19.1 63,23.25 v2(63,23.01)
  Bottom w0.2: v2(64.6,78.9) 64.4,78.9 62.5,77 62.5,75.75 62.2,75.45 J1#2.A9 ; 61.32,27.11 v2(59.6,27.11) ; J1.A9 62.19,27.46 62.5,27.76 62.5,29.01 64.4,30.91 v2(64.6,30.91) ; 61.32,75.1 v2(59.6,75.1)
  Bottom w0.3: J1#2.B9 62.65,70.65 v2(63,71) ; v2(63,23.01) 62.65,22.66 J1.B9
